# Altium PCB NC1-1B-BASIS.PcbDoc (part 2 of 3)
Units mm, origin at the board's own origin, x right, y up, seen from the top; angles counter-clockwise.
Board outline 78 x 78 mm, 4 copper layers (Top Layer, Mid 1 (GND), Mid 2 (PWR), Bottom Layer), stack 1.586 mm thick; 290 components, 134 nets, 819 pads, 380 vias.
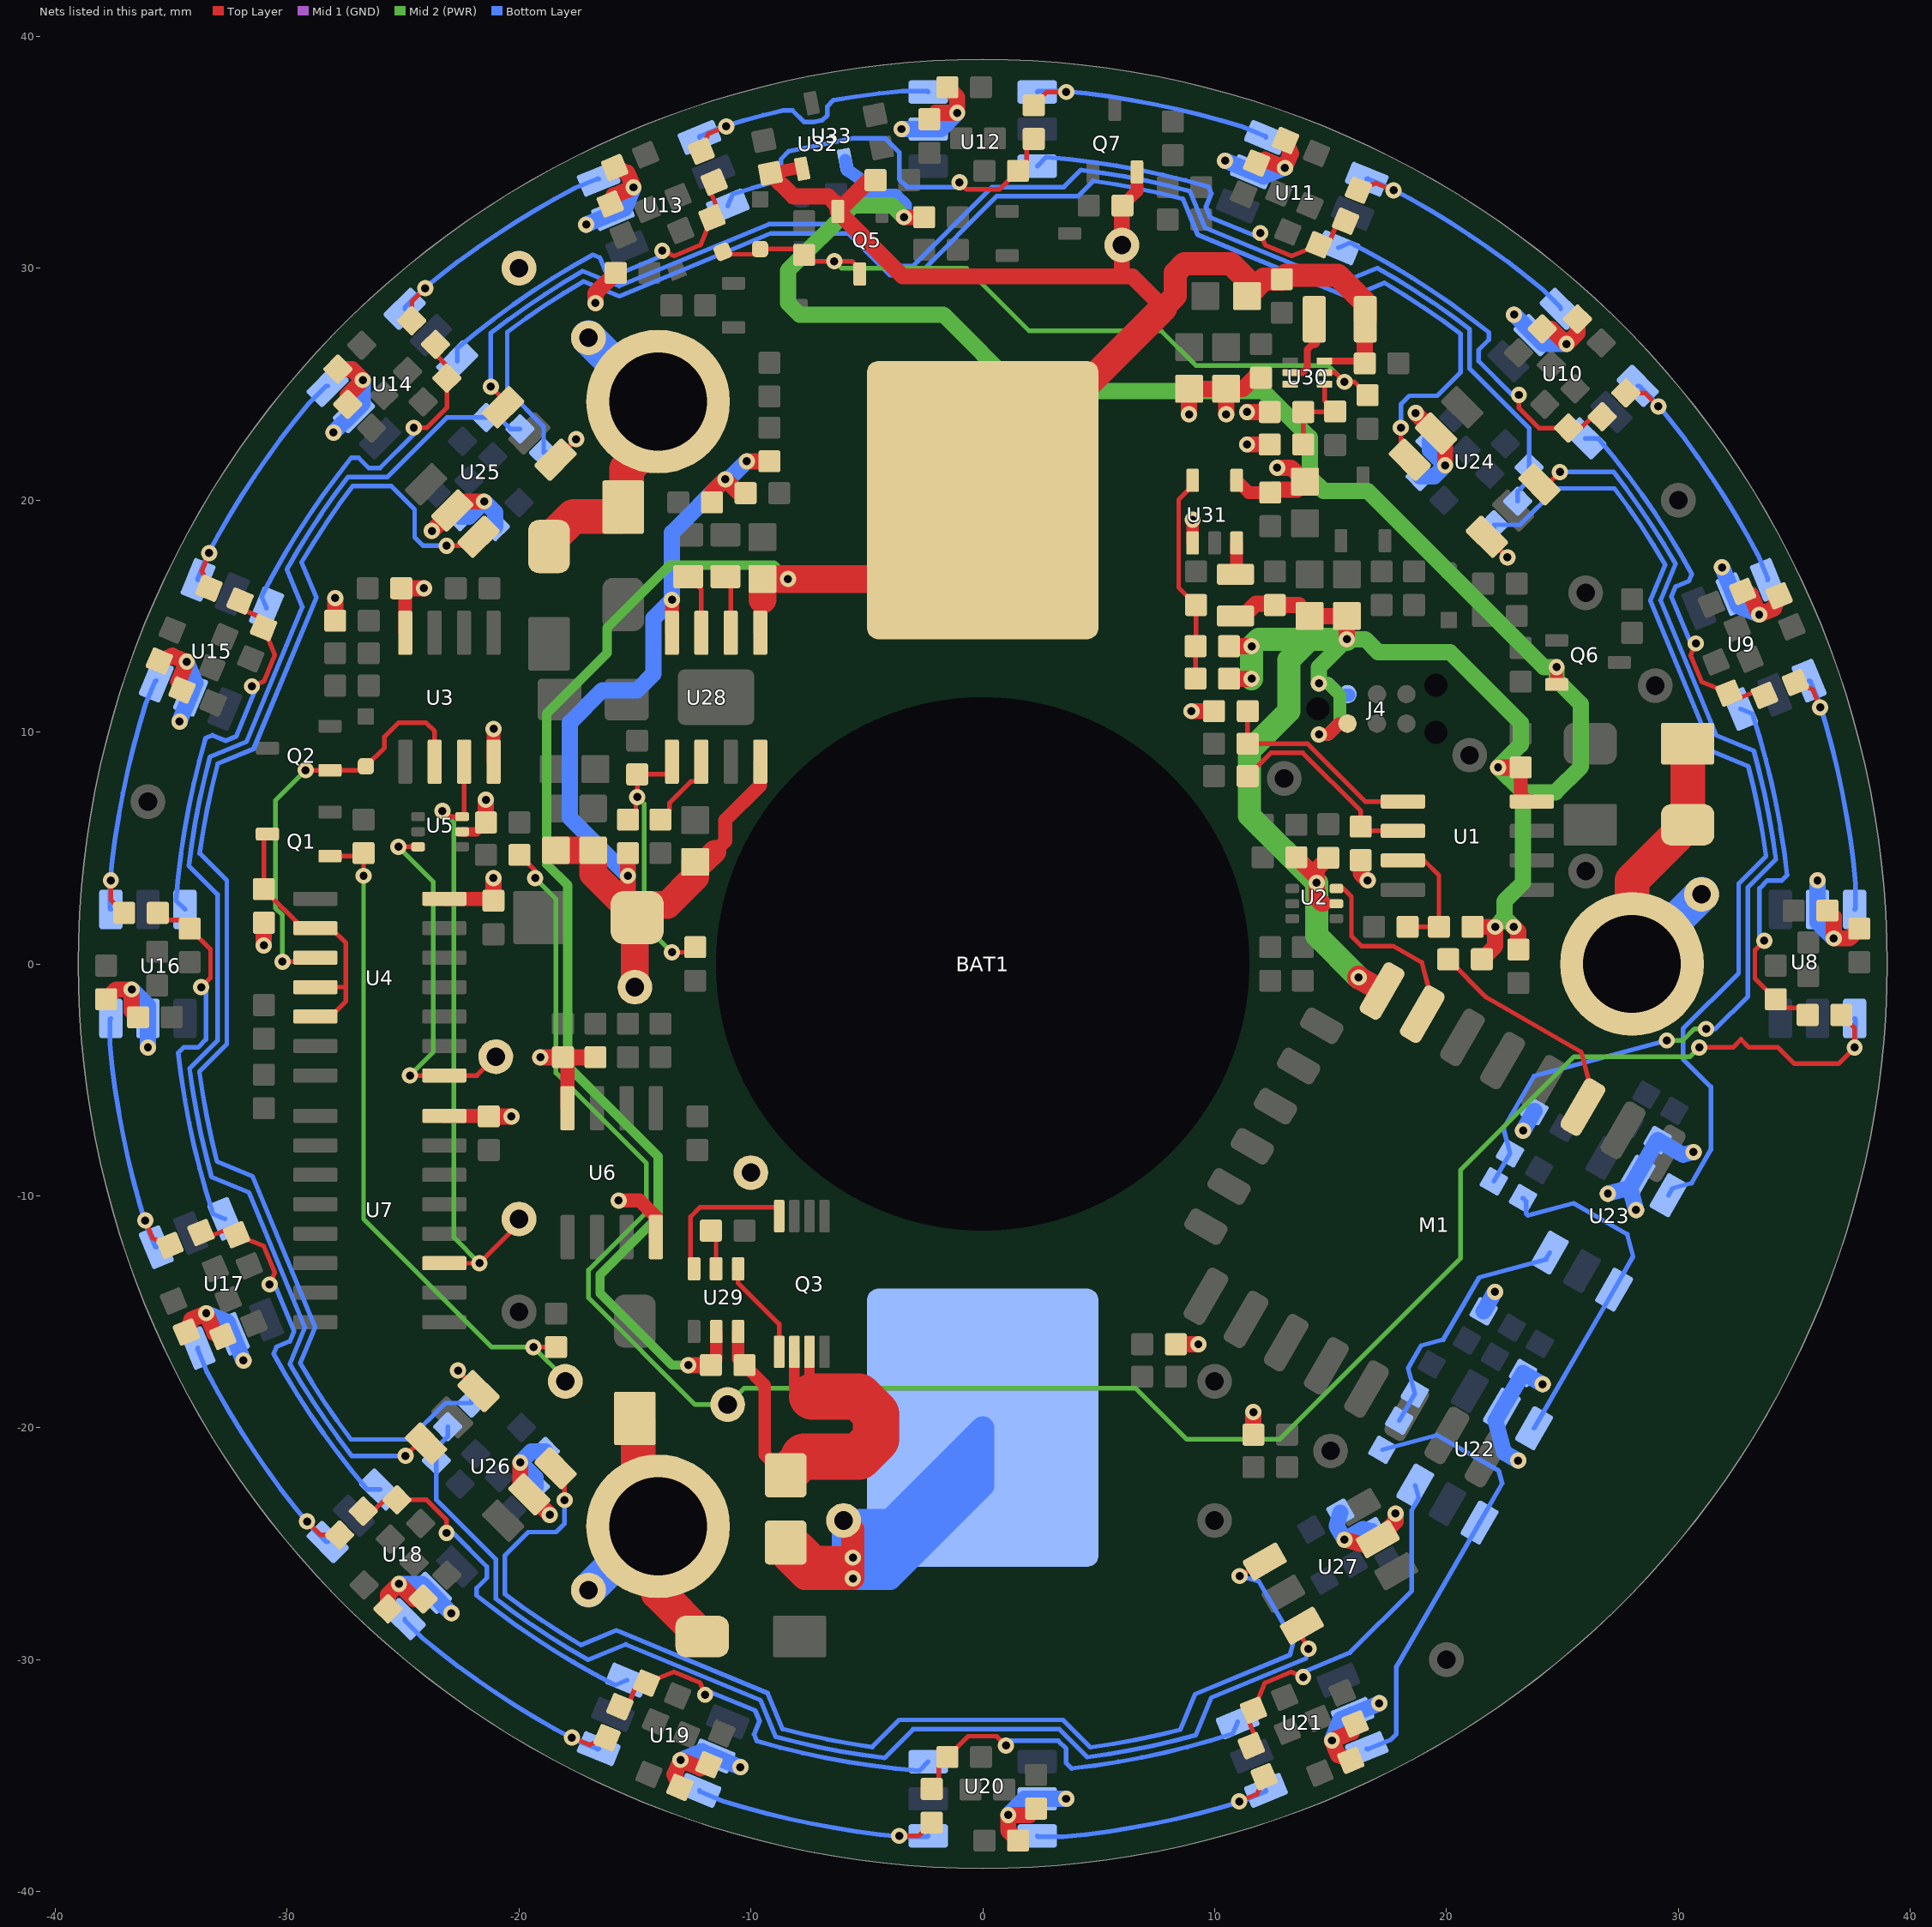
[diagram p4: the nets of this part, all layers, seen from the top]

## Part data
BAT1: "21700 Battery cell for FSCH nightcone project", Manufacturer=NONE, Part Number=BAT_21700_NightCone
C1 C2 C3 C52 C53 C60 C72 C73: "CAP SM 0603 1.0uF 50V X5R", Absolute Value=1E-6, JLC Type=Basic, Manufacturer=GENERIC, Manufacturer 1="Samsung Electro-Mechanics", Manufacturer Part Number 1=CL10A105KB8NNNC, Package=0603, Supplier Part Number 1=1276-1860-1-ND, Eurocircuits GPN=GPC0603105-X5R, HelpURL=https://mm.digikey.com/Volume0/opasdata/d220001/medias/docus/658/CL10A105KB8NNNC_Spec.pdf, Manufacturer Part Number 3=CL10A105KB8NNNC, Part Number=1.0U/0603/50V/X5R, Supplier 1=Digi-Key, Supplier 3=LCSC, Supplier Part Number 3=C15849
C4 C5 C6 C7 C8 C9 C11 C12 C13 C14 C15 C16 C17 C18 C19 C20 C21 C22 C23 C24 C25 C26 C27 C28 C29 C30 C31 C32 C33 C34 C35 C36 C37 C38 C39 C40 C41 C42 C43 C44 C45 C46 C47 C48 C49 C50 C51 C61 C63 C67 C68 C71 C74 C76: "CAP SM 0603 1.0uF 50V X5R", Absolute Value=1E-6, JLC Type=Basic, Manufacturer=GENERIC, Manufacturer Part Number 3=CL10A105KB8NNNC, Package=603, Part Number=1U/0603/50V/X5R, Supplier 3=LCSC, Supplier Part Number 3=C15849
C10: "CAP SM 0603 470pF 50V C0G", Absolute Value=4.7E-10, JLC Type=Extended, Manufacturer=GENERIC, Manufacturer 1=YAGEO, Manufacturer Part Number 1=CC0603JRNPO9BN471, Manufacturer Part Number 2=CC0603KRNPO9BN471, Manufacturer Part Number 3=GCM1885C1H471JA16D, Package=603, Supplier Part Number 1=311-1520-1-ND, HelpURL=https://www.yageo.com/upload/media/product/productsearch/datasheet/mlcc/UPY-GP_NP0_16V-to-50V_18.pdf, Manufacturer 2=YAGEO, Part Number=470P/0603/50V/C0G, Supplier 1=Digi-Key, Supplier 2=Digi-Key, Supplier 3=LCSC, Supplier Part Number 2=311-4038-1-ND, Supplier Part Number 3=C126566
C54 C55 C56 C59 C64 C65 C66 C69 C70: "CAP SM 0805 22uF 25V X5R", Absolute Value=2.2E-5, JLC Type=Basic, Manufacturer=GENERIC, Manufacturer Part Number 3=CL21A226MAQNNNE, Package=805, Part Number=22U/0805/25V/X5R, Supplier 3=LCSC, Supplier Part Number 3=C45783
C57 C75: "CAP SM 0603 100nF 50V X7R", Absolute Value=1E-7, JLC Type=Basic, Manufacturer=GENERIC, Manufacturer 1=YAGEO, Manufacturer Part Number 1=CC0603KPX7R9BB104, Manufacturer Part Number 2=CC0603MRX7R9BB104, Manufacturer Part Number 3=CC0603KRX7R9BB104, Package=603, Supplier Part Number 1=311-3567-1-ND, HelpURL=https://www.yageo.com/upload/media/product/app/datasheet/mlcc/upy-gphc_x7r_6_3v-to-250v.pdf, Manufacturer 2=YAGEO, Part Number=100N/0603/50V/X7R, Supplier 1=Digi-Key, Supplier 2=Digi-Key, Supplier 3=LCSC, Supplier Part Number 2=311-4110-1-ND, Supplier Part Number 3=C14663
C58 C62: "CAP SM 0603 1.0nF 50V C0G", Absolute Value=1E-9, Manufacturer=GENERIC, Manufacturer 1=YAGEO, Manufacturer Part Number 1=CC0603JRNPO9BN102, Manufacturer Part Number 2=CC0603KRNPO9BN102, Package=0603, Supplier Part Number 1=311-1423-1-ND, Eurocircuits GPN=GPC0603102-C0G, HelpURL=https://www.yageo.com/upload/media/product/productsearch/datasheet/mlcc/UPY-GP_NP0_16V-to-50V_18.pdf, Manufacturer 2=YAGEO, Part Number=1.0N/0603/50V/C0G, Supplier 1=Digi-Key, Supplier 2=Digi-Key, Supplier Part Number 2=311-4026-1-ND
D1 D11 D12 D13 D14: "40V 600mV@1A 1A SOD-323 Schottky Barrier Diodes (SBD) ROHS", Absolute Value=40V, JLC Type=Basic, Manufacturer=GENERIC, Manufacturer 3="Guangdong Hottech", Package=SOD323, HelpURL=https://datasheet.lcsc.com/lcsc/2204281430_Guangdong-Hottech-1N5819WS_C191023.pdf, Manufacturer Part Number 3=1N5819WS, Part Number=1N5819WS, Supplier 3=LCSC, Supplier Part Number 3=C191023
D2 D3 D4 D8 D9 D10: "Si Shottky Diode 3A DO-214AC", JLC Type=Basic, Manufacturer=GENERIC, Manufacturer 3=MDD, Package="DO-214AC, SMA", HelpURL=https://datasheet.lcsc.com/lcsc/2303141100_MDD-Microdiode-Electronics--SS34_C8678.pdf, Manufacturer Part Number 3=SS34, Part Number=SS34, Supplier 3=LCSC, Supplier Part Number 3=C8678
D5: "10.5V 6.45V 5.8V SMB(DO-214AA) TVS", Absolute Value=6.8V, JLC Type=Basic, Manufacturer="Littelfuse Inc.", Manufacturer 3=Brightking, Manufacturer Part Number 3=P6SMB6.8CA/TR13, Package=DO-214AA, HelpURL=https://datasheet.lcsc.com/lcsc/1810181007_Brightking-P6SMB6-8CA-TR13_C78395.pdf, Part Number=P6SMB6.8CA, Supplier 3=LCSC, Supplier Part Number 3=C78395
D6: library part "LED Green 0805", "Generic LED Green 0805", Absolute Value=Green, JLC Type=Basic, Manufacturer=GENERIC, Manufacturer 1=Würth, Manufacturer 3="Hubei KENTO Elec", Manufacturer Part Number 1=150080GS75000, Manufacturer Part Number 3=KT-0805G, Package=805, Supplier Part Number 1=732-4983-1-ND, HelpURL=https://www.we-online.com/katalog/datasheet/150060VS75000.pdf, Part Number="LED Green 0805", Supplier 1=Digi-Key, Supplier 3=LCSC, Supplier Part Number 3=C2297
D7: library part "LED Red 0805", "Generic LED Red 0805", Absolute Value=Red, JLC Type=Basic, Manufacturer=GENERIC, Manufacturer 1=Würth, Manufacturer 3="Foshan NationStar Optoelectronics", Manufacturer Part Number 1=150080RS75000, Manufacturer Part Number 3=NCD0805R1, Package=805, Supplier Part Number 1=732-4984-1-ND, HelpURL=https://www.we-online.com/katalog/datasheet/150060RS75000.pdf, Part Number="LED Red 0805", Supplier 1=Digi-Key, Supplier 3=LCSC, Supplier Part Number 3=C84256
F1 F2: "Multifuse 1206 1.5A", Absolute Value=1.5, JLC Type=Extended, Manufacturer=GENERIC, Manufacturer 1=Bourns, Manufacturer Part Number 1=MF-NSMF150-2, Package=1206, Supplier Part Number 1=MF-NSMF150-2CT-ND, HelpURL=https://www.bourns.com/docs/product-datasheets/mf-nsmf.pdf?sfvrsn=39c76af6_20, Manufacturer 3=Bourns, Manufacturer Part Number 3=MF-NSMF150-2, Part Number=1.5A/1206/Fuse, Supplier 1=Digi-Key, Supplier 3=LCSC, Supplier Part Number 3=C89655
J1 J2 J3: "Solder Nut M3x0.5, 2mm", JLC Type=Extended, Manufacturer=GENERIC, Manufacturer 2=PEM, Manufacturer 3=Sinhoo, Manufacturer Part Number 2=SMTSO-M3-2ET, Manufacturer Part Number 3=SMTSO3020MTJ, Part Number="PEM M3, 2mm", Supplier 2=Mouser, Supplier 3=LCSC, Supplier Part Number 2=153-SMTSO-M3-2ET, Supplier Part Number 3=C2915633
J4: "Tag-Connect 2030-NL, 6 pins, no legs, two-sided", Manufacturer=TAG-CONNECT, HelpURL=https://www.tag-connect.com/wp-content/uploads/bsk-pdf-manager/2022/06/TC2030-MCP-NL.pdf, Part Number=TAG-CON-6-NL-DUAL
J5: library part Solder_Jumper_2pin_0.3mm, "Solder jumper with two pins with a spacing of 0.3mm", Manufacturer=NONE, Part Number=Solder_Jumper_2pin_0.3mm
L1: "1UH 2520 Shielded Inductor SMD", Absolute Value=1E-6, JLC Type=Extended, Manufacturer=GENERIC, Manufacturer 1="INPAQ Technology Co., Ltd", Manufacturer 3=INPAQ, Manufacturer Part Number 1=WIP252010S-1R0MLDG, Manufacturer Part Number 3=WIP252012P-1R0ML, Package="2520 metric", Supplier Part Number 1=3526-WIP252010S-1R0MLDGCT-ND, HelpURL=https://mm.digikey.com/Volume0/opasdata/d220001/medias/docus/5561/WIP252010S%20L%20Series.pdf, Part Number=1UH/2520, Supplier 1=Digi-Key, Supplier 3=LCSC, Supplier Part Number 3=C315711
L2: "2.2UH 2016 Shielded Inductor SMD", Absolute Value=2.2E-6, JLC Type=Extended, Manufacturer=GENERIC, Manufacturer 1="INPAQ Technology Co., Ltd", Manufacturer 3=INPAQ, Manufacturer Part Number 1=WIP201610S-2R2MLDG, Manufacturer Part Number 3=WIP201610P-2R2ML, Package="2016 metric", Supplier Part Number 1=3526-WIP201610S-2R2MLDGCT-ND, HelpURL=https://mm.digikey.com/Volume0/opasdata/d220001/medias/docus/5561/WIP201610S%20L%20Series.pdf, Part Number=2.2UH/2016, Supplier 1=Digi-Key, Supplier 3=LCSC, Supplier Part Number 3=C315717
M1: "ESP8266 based Module with 4MByte Storage", JLC Type=Extended, Manufacturer=AI-Thinker, Manufacturer 3=Ai-Thinker, Manufacturer Part Number 3=ESP-12F(ESP8266MOD), Package=Board, Part Number=ESP-12F, Supplier 3=LCSC, Supplier Part Number 3=C82891
Q1 Q8 Q9 Q10: "30V N-Channel MOSFET", JLC Type=Basic, Manufacturer="Alpha & Omega Semiconductor", Package=SOT23, HelpURL=https://aosmd.com/res/data_sheets/AO3400A.pdf, Manufacturer 3="Alpha & Omega Semiconductor", Manufacturer Part Number 3=AO3400A, Part Number=AO3400A, Supplier 3=LCSC, Supplier Part Number 3=C20917
Q2: "Switching Transistor PNP Silicon", JLC Type=Extended, Manufacturer="ON SEMI", Manufacturer 3=ONSEMI, Manufacturer Part Number 3=MMBT4403LT1G, Package=SOT23, HelpURL=https://www.onsemi.com/pdf/datasheet/mmbt4403lt1-d.pdf, Part Number=MMBT4403L, Supplier 3=LCSC, Supplier Part Number 3=C78864
Q3: "20V 9A 7.6mΩ@4.5V,9A 1.25W 1.2V@250uA 2 N-Channel TSSOP-8", JLC Type=Extended, Manufacturer="Winsok Semicon", Package=TSSOP-8, HelpURL=https://www.lcsc.com/datasheet/lcsc_datasheet_2211141230_Winsok-Semicon-WSP8814_C148371.pdf, Manufacturer 3="Winsok Semicon", Manufacturer Part Number 3=WSP8814, Part Number=WSP8814, Supplier 3=LCSC, Supplier Part Number 3=C148371
Q5 Q6 Q7: "50V P-Channel MOSFET", JLC Type=Extended, Manufacturer=GENERIC, Manufacturer 1="Good-Ark Semiconductor", Manufacturer 3="Jiangsu Changjing Electronics Technology Co., Ltd.", Package=SOT23, Supplier Part Number 1=4786-BSS84CT-ND, HelpURL=https://goodarksemi.com/docs/datasheets/mosfets/BSS84.pdf, Manufacturer Part Number 1=BSS84, Manufacturer Part Number 3=BSS84, Part Number=BSS84, Supplier 1=Digi-Key, Supplier 3=LCSC, Supplier Part Number 3=C114481
R1 R2 R4 R5 R6 R7 R8 R10 R11 R12 R16 R17 R18 R23 R91 R92 R104: "RES SM 0603 1K5", Absolute Value=1500, JLC Type=Basic, Manufacturer=GENERIC, Manufacturer 1=YAGEO, Manufacturer 3="UNI-ROYAL(Uniroyal Elec)", Manufacturer Part Number 1=RC0603FR-131K5L, Manufacturer Part Number 2=RC0603FR-101K5L, Manufacturer Part Number 3=0603WAF1501T5E, Package=0603, Supplier Part Number 1=13-RC0603FR-131K5LCT-ND, HelpURL=https://www.yageo.com/upload/media/product/app/datasheet/rchip/pyu-rc_group_51_rohs_l.pdf, Manufacturer 2=YAGEO, Part Number=1K5/0603, Supplier 1=Digi-Key, Supplier 2=Digi-Key, Supplier 3=LCSC, Supplier Part Number 2=13-RC0603FR-101K5LCT-ND, Supplier Part Number 3=C22843
R3 R9 R24 R25 R26 R29 R32 R35 R38 R41 R44 R47 R50 R53 R56 R59 R62 R65 R68 R71 R74 R77 R80 R83 R86 R87 R110: "RES SM 0603 270R", Absolute Value=270, JLC Type=Basic, Manufacturer=GENERIC, Manufacturer 1=YAGEO, Manufacturer 3="UNI-ROYAL(Uniroyal Elec)", Manufacturer Part Number 1=RC0603FR-13270RL, Manufacturer Part Number 2=RC0603FR-10270RL, Manufacturer Part Number 3=0603WAF2700T5E, Package=0603, Supplier Part Number 1=13-RC0603FR-13270RLCT-ND, HelpURL=https://www.yageo.com/upload/media/product/productsearch/datasheet/rchip/PYu-RC_Group_51_RoHS_L_12.pdf, Manufacturer 2=YAGEO, Part Number=270R/0603, Supplier 1=Digi-Key, Supplier 2=Digi-Key, Supplier 3=LCSC, Supplier Part Number 2=13-RC0603FR-10270RLCT-ND, Supplier Part Number 3=C22966
  R3 R9: Eurocircuits GPN=GPR0603270R
R13 R98 R99 R101 R107: "RES SM 0603 22K", Absolute Value=22000, JLC Type=Basic, Manufacturer=GENERIC, Manufacturer 1=YAGEO, Manufacturer 3="UNI-ROYAL(Uniroyal Elec)", Manufacturer Part Number 1=RC0603FR-1322KL, Manufacturer Part Number 2=RC0603FR-1022KL, Manufacturer Part Number 3=0603WAF2202T5E, Package=0603, Supplier Part Number 1=13-RC0603FR-1322KLCT-ND, HelpURL=https://www.yageo.com/upload/media/product/app/datasheet/rchip/pyu-rc_group_51_rohs_l.pdf, Manufacturer 2=YAGEO, Part Number=22K/0603, Supplier 1=Digi-Key, Supplier 2=Digi-Key, Supplier 3=LCSC, Supplier Part Number 2=13-RC0603FR-1022KLCT-ND, Supplier Part Number 3=C31850
  R13: Eurocircuits GPN=GPR060322K
R14: "RES SM 0603 12K", Absolute Value=12000, Manufacturer=GENERIC, Manufacturer 1=YAGEO, Manufacturer Part Number 1=RC0603FR-1312KL, Manufacturer Part Number 2=RC0603FR-1012KL, Package=0603, Supplier Part Number 1=13-RC0603FR-1312KLCT-ND, Eurocircuits GPN=GPR060312K, HelpURL=https://www.yageo.com/upload/media/product/app/datasheet/rchip/pyu-rc_group_51_rohs_l.pdf, Manufacturer 2=YAGEO, Part Number=12K/0603, Supplier 1=Digi-Key, Supplier 2=Digi-Key, Supplier Part Number 2=13-RC0603FR-1012KLCT-ND
R15 R89: "RES NTC SM 0603 10K", Absolute Value=10000, JLC Type=Extended, Manufacturer=GENERIC, Manufacturer 1=Murata, Manufacturer 3=Sunlord, Manufacturer Part Number 1=NCU18XH103E60RB, Manufacturer Part Number 3=SDNT1608X103F3380FTF, Package=603, Supplier Part Number 1=490-18164-1-ND, HelpURL=https://www.murata.com/en-us/api/pdfdownloadapi?cate=luNTCforTempeSenso&partno=NCU18XH103E60RB, Part Number=10K/0603/NTC/3380K, Supplier 1=Digi-Key, Supplier 3=LCSC, Supplier Part Number 3=C316397
R19 R21 R22 R90 R93 R94 R95 R100 R102 R103 R105 R106 R108 R111: "RES SM 0603 100K", Absolute Value=100000, JLC Type=Basic, Manufacturer=GENERIC, Manufacturer 1=YAGEO, Manufacturer 3="UNI-ROYAL(Uniroyal Elec)", Manufacturer Part Number 1=RC0603FR-13100KL, Manufacturer Part Number 2=RC0603FR-10100KL, Manufacturer Part Number 3=0603WAF1003T5E, Package=0603, Supplier Part Number 1=13-RC0603FR-13100KLCT-ND, HelpURL=https://www.yageo.com/upload/media/product/productsearch/datasheet/rchip/PYu-RC_Group_51_RoHS_L_12.pdf, Manufacturer 2=YAGEO, Part Number=100K/0603, Supplier 1=Digi-Key, Supplier 2=Digi-Key, Supplier 3=LCSC, Supplier Part Number 2=13-RC0603FR-10100KLCT-ND, Supplier Part Number 3=C25803
R20: "RES SM 0603 20R", Absolute Value=20, JLC Type=Basic, Manufacturer=GENERIC, Manufacturer 1=YAGEO, Manufacturer 3="UNI-ROYAL(Uniroyal Elec)", Manufacturer Part Number 1=RC0603FR-1320RL, Manufacturer Part Number 2=RC0603FR-1020RL, Manufacturer Part Number 3=0603WAF200JT5E, Package=0603, Supplier Part Number 1=13-RC0603FR-1320RLCT-ND, HelpURL=https://www.yageo.com/upload/media/product/app/datasheet/rchip/pyu-rc_group_51_rohs_l.pdf, Manufacturer 2=YAGEO, Part Number=20R/0603, Supplier 1=Digi-Key, Supplier 2=Digi-Key, Supplier 3=LCSC, Supplier Part Number 2=13-RC0603FR-1020RLCT-ND, Supplier Part Number 3=C22950
R27 R28 R30 R31 R33 R34 R36 R37 R39 R40 R42 R43 R45 R46 R48 R49 R51 R52 R54 R55 R57 R58 R60 R61 R63 R64 R66 R67 R69 R70 R72 R73 R75 R76 R78 R79 R81 R82: "RES SM 0603 0R", Absolute Value=0, JLC Type=Basic, Manufacturer=GENERIC, Manufacturer 1=YAGEO, Manufacturer 3="UNI-ROYAL(Uniroyal Elec)", Manufacturer Part Number 1=RC0603FR-070RL, Manufacturer Part Number 2=RC0603FR-130RL, Manufacturer Part Number 3=0603WAF0000T5E, Package=0603, Supplier Part Number 1=311-0.0HRCT-ND, HelpURL=https://www.yageo.com/upload/media/product/app/datasheet/rchip/pyu-rc_group_51_rohs_l.pdf, Manufacturer 2=YAGEO, Part Number=0R/0603, Supplier 1=Digi-Key, Supplier 2=Digi-Key, Supplier 3=LCSC, Supplier Part Number 2=13-RC0603FR-130RLCT-ND, Supplier Part Number 3=C21189
R84 R85: "RES SM 0805 1R", Absolute Value=1, JLC Type=Basic, Manufacturer=GENERIC, Manufacturer 1=YAGEO, Manufacturer 3="UNI-ROYAL(Uniroyal Elec)", Manufacturer Part Number 1=RC0805FR-131RL, Manufacturer Part Number 2=RC0805FR-101RL, Manufacturer Part Number 3=0805W8F100KT5E, Package=805, Supplier Part Number 1=13-RC0805FR-131RLCT-ND, HelpURL=https://www.yageo.com/upload/media/product/productsearch/datasheet/rchip/PYu-RC_Group_51_RoHS_L_12.pdf, Manufacturer 2=YAGEO, Part Number=1R/0805, Supplier 1=Digi-Key, Supplier 2=Digi-Key, Supplier 3=LCSC, Supplier Part Number 2=13-RC0805FR-101RLCT-ND, Supplier Part Number 3=C25271
R88: "RES SM 0603 4K7", Absolute Value=4700, JLC Type=Basic, Manufacturer=GENERIC, Manufacturer 1=YAGEO, Manufacturer 3="UNI-ROYAL(Uniroyal Elec)", Manufacturer Part Number 1=RC0603FR-134K7L, Manufacturer Part Number 2=RC0603FR-104K7L, Manufacturer Part Number 3=0603WAF4701T5E, Package=0603, Supplier Part Number 1=13-RC0603FR-134K7LCT-ND, HelpURL=https://www.yageo.com/upload/media/product/app/datasheet/rchip/pyu-rc_group_51_rohs_l.pdf, Manufacturer 2=YAGEO, Part Number=4K7/0603, Supplier 1=Digi-Key, Supplier 2=Digi-Key, Supplier 3=LCSC, Supplier Part Number 2=13-RC0603FR-104K7LCT-ND, Supplier Part Number 3=C23162
R96: "RES SM 0603 1K", Absolute Value=1000, JLC Type=Basic, Manufacturer=GENERIC, Manufacturer 1=YAGEO, Manufacturer 3="UNI-ROYAL(Uniroyal Elec)", Manufacturer Part Number 1=RC0603FR-131KL, Manufacturer Part Number 2=RC0603FR-101KL, Manufacturer Part Number 3=0603WAF1001T5E, Package=0603, Supplier Part Number 1=13-RC0603FR-131KLCT-ND, Eurocircuits GPN=GPR06031K, HelpURL=https://www.yageo.com/upload/media/product/app/datasheet/rchip/pyu-rc_group_51_rohs_l.pdf, Manufacturer 2=YAGEO, Part Number=1K/0603, Supplier 1=Digi-Key, Supplier 2=Digi-Key, Supplier 3=LCSC, Supplier Part Number 2=13-RC0603FR-101KLCT-ND, Supplier Part Number 3=C21190
R97: "RES SM 0603 13K", Absolute Value=13000, JLC Type=Basic, Manufacturer=GENERIC, Manufacturer 1=YAGEO, Manufacturer 3="UNI-ROYAL(Uniroyal Elec)", Manufacturer Part Number 1=RC0603FR-1313KL, Manufacturer Part Number 2=RC0603FR-1013KL, Manufacturer Part Number 3=0603WAF1302T5E, Package=0603, Supplier Part Number 1=13-RC0603FR-1313KLCT-ND, HelpURL=https://www.yageo.com/upload/media/product/productsearch/datasheet/rchip/PYu-RC_Group_51_RoHS_L_12.pdf, Manufacturer 2=YAGEO, Part Number=13K/0603, Supplier 1=Digi-Key, Supplier 2=Digi-Key, Supplier 3=LCSC, Supplier Part Number 2=13-RC0603FR-1013KLCT-ND, Supplier Part Number 3=C22797
R109: "RES SM 0603 10M", Absolute Value=10000000, JLC Type=Basic, Manufacturer=GENERIC, Manufacturer 1=YAGEO, Manufacturer 3="UNI-ROYAL(Uniroyal Elec)", Manufacturer Part Number 1=RC0603FR-1310ML, Manufacturer Part Number 2=RC0603FR-1010ML, Manufacturer Part Number 3=0603WAF1005T5E, Package=603, Supplier Part Number 1=13-RC0603FR-1310MLCT-ND, HelpURL=https://www.yageo.com/upload/media/product/productsearch/datasheet/rchip/PYu-RC_Group_51_RoHS_L_12.pdf, Manufacturer 2=YAGEO, Part Number=10M/0603, Supplier 1=Digi-Key, Supplier 2=Digi-Key, Supplier 3=LCSC, Supplier Part Number 2=13-RC0603FR-1010MLCT-ND, Supplier Part Number 3=C7250
TP1 TP2 TP3 TP4 TP5 TP6 TP7 TP8 TP9 TP10 TP11 TP12 TP13 TP14 TP15 TP16 TP17 TP18 TP19 TP20 TP21 TP22 TP23 TP24: "THT Test Point 1.5/0.8mm", Manufacturer=NONE, Part Number=TP_THD_1.5/0.8
U1: "I2C-Compatible (2-wire) Serial EEPROM 2K bits", JLC Type=Extended, Manufacturer=Zetta, Manufacturer Part Number 3=ZD24C02B-SSGMB, Package=SOIC-8, HelpURL=https://datasheet.lcsc.com/lcsc/2402020955_Zetta-ZD24C02B-SSGMB_C5374786.pdf, Manufacturer 3=Zetta, Part Number=ZD24C02B, Supplier 3=LCSC, Supplier Part Number 3=C5374786
U2: "Single-Pole-Double-Throw Analog Switch", Manufacturer=TI, Manufacturer 3="Texas Instruments", Manufacturer Part Number 3=SN74LVC1G3157DCKR, Package=SOT-363-6, Part Number=SN74LVC1G3157, Supplier 3=LCSC, Supplier Part Number 3=C38663
U3 U6: "SOP-8 Timers / Clock Oscillators ROHS", JLC Type=Extended, Manufacturer=XINLUDA, Package=SOP8, HelpURL=https://datasheet.lcsc.com/lcsc/2212101330_XINLUDA-XL555_C521186.pdf, Manufacturer 3=XINLUDA, Manufacturer Part Number 3=XL555, Part Number=XL555, Supplier 3=LCSC, Supplier Part Number 3=C521186
U4: "Quad 2-input NAND", JLC Type=Extended, Manufacturer="Wuxi I-core Elec", Manufacturer Part Number 3=AIP74HC00SA.TB, Package=SOP-14, Manufacturer 3="Wuxi I-core Elec", Part Number=AIP74HC00, Supplier 3=LCSC, Supplier Part Number 3=C2943283
U5: "Single 2-input multiplexer", JLC Type=Extended, Manufacturer=Nexperia, Manufacturer Part Number 3=74LVC1G157GW,125, Package=SOT-363-6, Manufacturer 3=Nexperia, Part Number=74LVC1G157, Supplier 3=LCSC, Supplier Part Number 3=C135822
U7: "12-Stage binary ripple Counter", JLC Type=Extended, Manufacturer=HGSEMI, Manufacturer Part Number 3=CD4040BM/TR, Package=SOP-16, Manufacturer 3=HGSEMI, Part Number=CD4040BC, Supplier 3=LCSC, Supplier Part Number 3=C725347
U8 U9 U10 U11 U12 U13 U14 U15 U16 U17 U18 U19 U20 U21 U22 U23 U24 U25 U26 U27: "Intelligent control LED integrated light source with backup Pin", JLC Type=Extended, Manufacturer=WorldSemi, Package=SMD5050, HelpURL=https://datasheet.lcsc.com/lcsc/2012110135_Worldsemi-WS2813B-V5_C965558.pdf, Manufacturer 3=WorldSemi, Manufacturer Part Number 3=WS2813B-V5, Part Number=WS2813B-V5, Supplier 3=LCSC, Supplier Part Number 3=C965558
U28: "1A Standalone Linear Li-lon Battery Charger with Thermal Regulation in SOP-8", JLC Type=Extended, Manufacturer=MSKSEMI, Package=SOP-8, HelpURL=https://datasheet.lcsc.com/lcsc/2308080947_MSKSEMI-TP4056-MS_C7473158.pdf, Manufacturer 3=MSKSEMI, Manufacturer Part Number 3=TP4056-MS, Part Number=TP4056-MS, Supplier 3=LCSC, Supplier Part Number 3=C7473158
U29: "Single Cell Lithium-ion battery protection IC", JLC Type=Extended, Manufacturer=PUOLOP, Package=SOT23-6, HelpURL=https://datasheet.lcsc.com/lcsc/1912111437_PUOLOP-DW01A_C351410.pdf, Manufacturer 3=PUOLOP, Manufacturer Part Number 3=DW01A, Part Number=DW01A, Supplier 3=LCSC, Supplier Part Number 3=C351410
U30: "3.7-A Boost Converter with 0.5-V Ultra-low Input Voltage", JLC Type=Extended, Manufacturer="Texas Instruments", Package=SOT563, Supplier Part Number 1=296-TPS61023DRLRTR-ND, HelpURL=https://www.ti.com/lit/ds/symlink/tps61023.pdf, Manufacturer 1="Texas Instruments", Manufacturer 3="Texas Instruments", Manufacturer Part Number 1=TPS61023, Manufacturer Part Number 3=TPS61023, Part Number=TPS61023, Supplier 1=Digi-Key, Supplier 3=LCSC, Supplier Part Number 3=C919459
U31: "1.5A 2MHz 5.5V Synchronous Buck Converter", JLC Type=Extended, Manufacturer=Zetta, Manufacturer Part Number 3=ZD8028IB5TR, Package=SOT23-5, HelpURL=https://datasheet.lcsc.com/lcsc/2203221830_Zetta-ZD8028IB5TR_C2928932.pdf, Manufacturer 3=Zetta, Part Number=ZD8028C, Supplier 3=LCSC, Supplier Part Number 3=C2928932
U32 U33: "MT8691AT Uni-polar, Nano Power Hall-Effect Switch IC", JLC Type=Extended, Manufacturer="Magn Tek", Package=SOT23, HelpURL=https://www.lcsc.com/datasheet/lcsc_datasheet_2304140030_Magn-Tek-MT8691AT_C879625.pdf, Manufacturer 3="Magn Tek", Manufacturer Part Number 3=MT8691AT, Part Number=MT8691AT, Supplier 3=LCSC, Supplier Part Number 3=C879625

## Via types
v1: diameter 0.7, hole 0.35, Top Layer to Bottom Layer, tented both sides, 372 vias
v2: diameter 0.7, hole 0.35, Top Layer to Bottom Layer, 8 vias

## Nets (pads, with @x,y where several pads share a name; then routed paths per layer and width w, separated by ;. In a path a pad name is that pad's centre, name@x,y a point inside that pad or via, vN(x,y) a via of type N, cw(c..) or ccw(c..) an arc to the next point about the centre after c; other vN are vias at no path point)
3V3_FB: C62.2 R94.2 R98.1 U31.5 | length 9.1
  Top Layer w0.2: U31.5@9.05,20.85 9.05,20.625 8.45,20.025 8.45,16.225 R98.1@9.2,15.475 9.2,13.725 R94.2@9.175,13.7 C62.2@9.175,12.3
3V3_SW: L2.1 U31.3 | length 1.4
  Top Layer w0.55: L2.1@10.9,16.8 10.95,16.85 U31.3@10.95,18.15
5V2_FB: C58.2 R93.2 R97.2 U30.1@14.74,25 | length 4.2
  Top Layer w0.2: R93.2@13.825,22.4 C58.2@13.825,23.8 15.175,23.8 R97.2@15.2,23.825 14.74,24.285 U30.1@14.74,25
5V2_SW: L1.2 U30.5 | length 3
  Top Layer w0.3: U30.5@13.26,25.5 13.8,25.5 14,25.7 14,26.5 14.3,26.8
  Top Layer w0.5: 14.3,26.8 L1.2@14.3,27.8
+3V3: C1.1 C2.1 C62.1 C68.2 C69.1 C70.1 C73.1 J4.1 L2.2 M1.8 Q6.2 R1.1 R2.1 R6.1 R7.1 R8.1 R13.1 R16.1 R17.1 R94.1 R101.1 TP21.1 U1.8 U2.5 U33.1@-5.926,34.66 | length 137.3
  Top Layer w0.4: 14.7,2.6 U2.5@15.25,2.6
  Top Layer w0.55: v1(14.5,9.9) 14.9,9.9 15.365,10.365 J4.1@15.73,10.365 ; Q6.2@24.75,12.05 v1(24.75,12.8)
  Top Layer w0.6: C1.1@23.2,8.475 23.2,7.3 23.495,7.005 U1.8@23.68,7.005
  Top Layer w0.7: v1(-3.4,32.2) R101.1@-2.525,32.2 ; R1.1@8.325,-16.4 v1(9.3,-16.4) ; v1(9,10.9) R8.1@9.975,10.9 ; C62.1@10.625,12.3 v1(11.6,12.3) ; R94.1@10.625,13.7 v1(11.6,13.7) ; L2.2@10.9,15 11,15.1 11.35,15.1 11.788,15.537 C68.2@12.6,15.537 ; R2.1@11.675,-20.3 v1(11.675,-19.325) ; C68.2@12.6,15.475 13.625,15.475 C69.1@14.1,15 C70.1@15.7,15 v1(15.7,14) ; R13.1@13.525,4.6 v1@14.4,3.725 ; 14.7,2.6 14.6,2.6 14.4,2.8 v1(14.4,3.5) v1@14.4,3.725 ; C2.1@14.9,4.575 14.4,4.075 v1@14.4,3.725 ; R7.1@16.3,4.475 16.3,3.9 v1(16.6,3.6) ; R6.1@21.125,1.6 v1(22.1,1.6) 22.1,0.775 R16.1@21.525,0.2 ; v1(22.225,8.475) C1.1@23.2,8.475 ; v1(22.9,1.6) 23.1,1.4 R17.1@23.1,0.625
  Top Layer w1: v1(16.21,-0.583) M1.8@17.223,-1.168
  Mid 2 (PWR) w0.55: v1(14.5,9.9) 14.9,9.9 15.4,10.4 15.4,11.6 14.9,12.1 v1(14.5,12.1)
  Mid 2 (PWR) w0.7: v1(-3.4,32.2) -3.9,32.7 -5.6,32.7 -8.4,29.9 -8.4,28.5 -7.9,28 -1.7,28 1.6,24.7 12.1,24.7 14.1,22.7 14.1,21 14.7,20.4 16.6,20.4 24.2,12.8 v1(24.75,12.8) 24.75,12.25 25.8,11.2 25.8,8.5 24.7,7.4 23.3,7.4 ; v1(14.5,12.1) 14.5,12.8 v1(15.7,14) 16.498,14 17.048,13.45 20.15,13.45 23.2,10.4 23.2,9.45 v1(22.225,8.475) 23.3,7.4 ; v1(22.1,1.6) 22.5,2 ; v1(22.9,1.6) 22.5,2 ; 22.5,2 22.5,2.7 23.3,3.5 23.3,7.4
  Mid 2 (PWR) w1: v1(11.6,12.3) v1(11.6,13.7) 11.9,14 14.1,14 ; v1(15.7,14) 14.1,14 ; v1(16.21,-0.583) 14.4,1.227 v1(14.4,3.5) 11.5,6.4 11.5,9.2 13.2,10.9 13.2,13.1 14.1,14
  Bottom Layer w0.55: U33.1@-5.926,34.66 -5.84,34.227 -5.401,33.934 -4.927,33.459 C73.1@-4.875,33.2 ; v1(14.5,12.1) 14.9,12.1 15.4,11.6 J4.1@15.8,11.6
  Bottom Layer w0.7: C73.1@-4.875,33.2 -4.75,33.075 -3.775,33.075 -3.4,32.7 v1(-3.4,32.2)
+5V2: C4.1 C7.1 C8.1 C12.1 C13.1 C14.1 C16.1 C18.1 C20.1 C22.1 C24.1 C26.1 C28.1 C30.1 C32.1 C34.1 C36.1 C38.1 C40.1 C42.1 C44.1 C46.1 C48.1 C50.1 C53.1 C58.1 C63.2 C64.1 C65.1 C66.1 C67.2 R18.1 R19.1 R23.1 R26.1 R29.1 R32.1 R35.1 R38.1 R41.1 R44.1 R47.1 R50.1 R53.1 R56.1 R59.1 R62.1 R65.1 R68.1 R71.1 R74.1 R77.1 R80.1 R83.1 R93.1 R99.2 TP20.1 U3.4 U3.8 U4.14 U5.5 U6.4 U6.8 U7.16 U8.2 U9.2 U10.2 U11.2 U12.2 U13.2 U14.2 U15.2 U16.2 U17.2 U18.2 U19.2 U20.2 U21.2 U22.2 U23.2 U24.2 U25.2 U26.2 U27.2 U30.6 U31.1@9.05,18.15 U31.4 | length 147.3
  Top Layer w0.4: U5.5@-22.45,5.7 -21.825,5.7 C8.1@-21.425,6.1
  Top Layer w0.55: U31.1@9.05,18.15 v1(9.05,19.15) ; U31.4@10.95,20.85 11.475,20.325 C67.2@12.4,20.325
  Top Layer w0.6: C4.1@-25.075,16.2 -24.905,16.03 U3.8@-24.905,14.28 ; U7.16@-23.22,-6.555 C13.1@-21.32,-6.555 ; U4.14@-23.22,2.81 -23.215,2.805 -21.18,2.805 C7.1@-21.1,2.725 ; U3.4@-21.095,8.72 v1(-21.095,10.14) ; C12.1@-18.1,-4.025 -17.905,-4.22 U6.8@-17.905,-6.22 ; v1(-15.7,-10.2) -14.8,-10.2 -14.095,-10.905 U6.4@-14.095,-11.78
  Top Layer w0.7: C30.1@-37.8,-1.525 -37.375,-1.1 v1(-36.7,-1.1) -36.7,-2.025 R50.1@-36.425,-2.3 ; C28.1@-35.506,13.057 -34.951,13.287 v1(-34.327,13.028) -34.681,12.174 R47.1@-34.532,11.814 ; C32.1@-34.339,-15.874 -34.109,-15.319 v1(-33.485,-15.061) -33.131,-15.915 R53.1@-32.772,-16.064 ; v1(-31,0.8) R18.1@-31,1.775 ; R19.1@-27.925,14.8 v1(-27.925,15.775) ; C26.1@-27.807,25.65 -27.206,25.65 v1(-26.729,25.173) -27.383,24.519 R44.1@-27.383,24.13 ; C34.1@-25.65,-27.807 -25.65,-27.206 v1(-25.173,-26.729) -24.519,-27.383 R56.1@-24.13,-27.383 ; C4.1@-25.075,16.2 v1(-24.1,16.2) ; v1(-23.759,18.668) U25.2@-22.875,19.552 -22.486,19.94 v1(-21.496,19.94) ; C8.1@-21.425,6.1 v1(-21.425,7.075) ; C13.1@-21.3,-6.575 v1(-20.325,-6.575) ; C7.1@-21.1,2.725 v1(-21.1,3.7) ; v1(-19.94,-21.496) -19.94,-22.486 U26.2@-19.552,-22.875 v1(-18.668,-23.759) ; v1(-19.075,-4.025) C12.1@-18.1,-4.025 R23.1@-16.7,-4.025 ; v1(-16.7,28.5) -16.7,28.925 R99.2@-15.825,29.8 ; R41.1@-16.064,32.772 -15.915,33.131 v1(-15.061,33.485) -15.319,34.109 C24.1@-15.874,34.339 ; C36.1@-13.057,-35.506 -13.287,-34.951 v1(-13.028,-34.327) -12.174,-34.681 R59.1@-11.814,-34.532 ; R38.1@-2.3,36.425 -2.025,36.7 v1(-1.1,36.7) -1.1,37.375 C22.1@-1.525,37.8 ; C38.1@1.525,-37.8 1.1,-37.375 v1(1.1,-36.7) 2.025,-36.7 R62.1@2.3,-36.425 ; v1(8.9,23.7) C64.1@8.9,24.8 10.2,24.8 C65.1@10.5,24.8 ; v1(10.5,23.7) C65.1@10.5,24.8 ; v1(11.4,22.4) R93.1@12.375,22.4 ; v1(11.4,23.8) C58.1@12.375,23.8 ; R35.1@11.814,34.532 12.174,34.681 v1(13.028,34.327) 13.287,34.951 C20.1@13.057,35.506 ; C63.2@12,25.275 11.7,25.275 11.225,24.8 C65.1@10.5,24.8 ; C67.2@12.4,20.325 12.525,20.45 13.55,20.45 C66.1@13.9,20.8 13.3,21.4 v1(12.7,21.4) ; v1(15.603,-24.825) 16.559,-25.081 U27.2@17.035,-24.806 17.8,-24.041 v1(17.8,-23.7) ; C40.1@15.874,-34.339 15.319,-34.109 v1(15.061,-33.485) 15.915,-33.131 R65.1@16.064,-32.772 ; v1(18.668,23.759) U24.2@19.552,22.875 19.94,22.486 v1(19.94,21.496) ; R32.1@24.13,27.383 24.519,27.383 v1(25.173,26.729) 25.65,27.206 C18.1@25.65,27.807 ; R29.1@32.772,16.064 33.131,15.915 v1(33.485,15.061) 34.109,15.319 C16.1@34.339,15.874 ; R26.1@36.425,2.3 36.7,2.025 v1(36.7,1.1) 37.375,1.1 C14.1@37.8,1.525